# KiCad board LED_Addrs.kicad_pcb (continued)
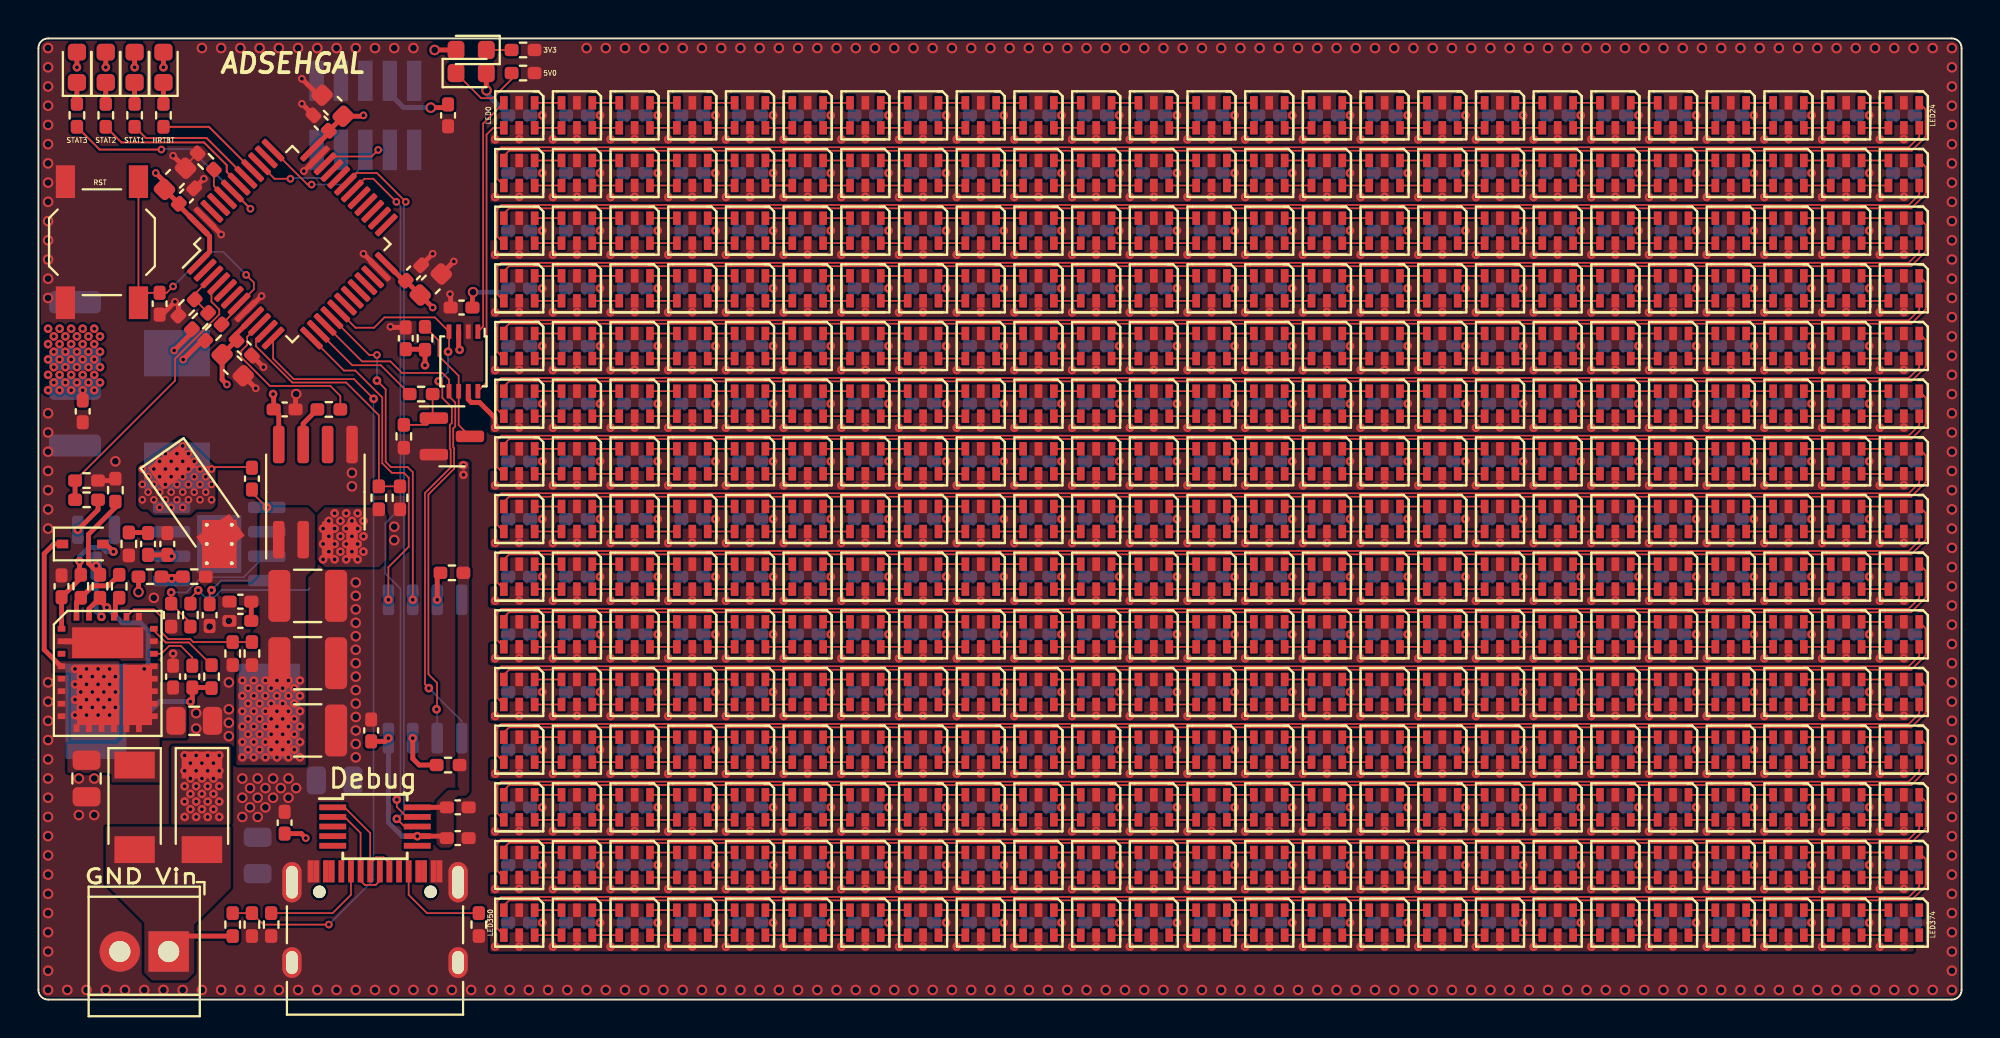
[diagram p0: board, top side]
## Routing (per net, layer and track width the routed paths; a pad name or vN(x,y) marks a point on that pad's centre or on a via; arc(x,y) is an arc through that point) (continued)
/PWR/5V_VDD: length 3.6
  Top w0.254: R33.1 3.63,21.52 2.82,21.52 R30.1 1.97,20.68 U6.28
/PWR/PVDD_5V: length 7
  Top w0.254: v2(3.9,23.3) 3.5,23.7 D384.2 ; U6.1 C418.2 2.2,21.93 R30.2 2.13,22.16 v2(2.13,22.8)
  Bottom w0.254: v2(2.13,22.8) 2.13,23.03 2.62,23.52 3.31,23.52 3.52,23.3 v2(3.9,23.3)
GND: length 18.8
  Top w0.089: R8.2 7.65,43.39 C379.1 ; C411.1 v2(7,18)
  Top w0.254: R28.1 3.9,27 R34.1 ; C383.1 v3(11.3,31.8) ; v3(11.6,36.6) 10.83,35.83 U1.8 ; C382.1 v3(11.7,32.9) ; v1(13.4,31.5) 13.37,31.47 C408.2 ; C378.1 v3(8.6,42.7) ; v3(16.9,38.8) 17.73,37.97 U1.23 ; v3(13.7,47.9) 14.55,47.05 C381.1 ; v3(9.5,39.8) 8.67,40.63 U1.47 ; R7.2 7.28,36.12 v3(7.1,36.3) 6.43,35.63 C384.1 ; C376.1 v3(20.5,38.8) ; C377.1 v3(21.6,38.4) ; v3(18.3,35) 18.33,34.97 C395.2 ; v3(7,43.9) 7.65,43.25 C379.1 ; v3(21.4,36.7) 21.43,36.67 C396.1 ; v3(13.8,43.1) 14.53,43.83 U1.35 ; C380.1 v3(13.7,46.6)
  vias: v1(0.5,49.5) v1(0.5,48.5) v1(0.5,47.5) v1(0.5,46.5) v1(0.5,45.5) v1(0.5,44.5) v1(0.5,43.5) v1(0.5,42.5) v1(0.5,41.5) v1(0.5,40.5) v1(0.5,39.5) v1(0.5,38.5) v1(0.5,37.5) v1(0.5,36.5) v1(0.5,30.5) v1(0.5,29.5) v1(0.5,28.5) v1(0.5,27.5) v1(0.5,26.5) v1(0.5,25.5) v1(0.5,24.5) v1(0.5,16.5) v1(0.5,15.5) v1(0.5,14.5) v1(0.5,13.5) v1(0.5,12.5) v1(0.5,11.5) v1(0.5,10.5) v1(0.5,9.5) v1(0.5,8.5) v1(0.5,7.5) v1(0.5,6.5) v1(0.5,5.5) v1(0.5,4.5) v1(0.5,3.5) v1(0.5,2.5) v1(0.5,1.5) v1(0.5,0.5) v1(1.5,0.5) v1(2.1,11.5) v1(2.1,9.6) v1(2.5,0.5) v1(2.9,11.5) v1(2.9,9.6) v1(3.5,0.5) v1(4,28) v1(4.5,0.5) v1(5.5,0.5) v1(6,20.9) v1(6.5,0.5) v1(7.5,0.5) v1(8.2,14.9) v1(8.2,14.1) v1(8.5,49.5) v1(8.5,0.5) v1(8.9,19.4) v1(9.5,49.5) v1(9.5,0.5) v1(9.9,19.7) v1(9.9,16.5) v1(9.9,15.1) v1(9.9,14.4) v1(9.9,13.7) v1(10.5,49.5) v1(10.5,0.5) v1(10.6,11.5) v1(10.6,10.5) v1(10.6,9.5) v1(11,11) v1(11,10) v1(11.4,11.5) v1(11.4,10.5) v1(11.4,9.5) v1(11.5,49.5) v1(11.5,0.5) v1(11.8,11) v1(11.8,10) v1(12.2,11.5) v1(12.2,10.5) v1(12.5,49.5) v1(12.5,0.5) v1(12.6,11) v1(13,11.5) v1(13,10.5) v1(13.4,11) v1(13.5,49.5) v1(13.5,0.5) v1(14.5,49.5) v1(14.5,0.5) v1(15.5,49.5) v1(15.5,0.5) v1(16.3,27.4) v1(16.3,26.7) v1(16.5,49.5) v1(16.5,21.7) v1(16.5,21) v1(16.5,20.3) v1(16.5,19.6) v1(16.5,18.9) v1(16.5,18.2) v1(16.5,17.5) v1(16.5,16.8) v1(16.5,16.1) v1(16.5,15.4) v1(16.5,14.7) v1(16.5,14) v1(16.5,13.3) v1(16.5,12.6) v1(16.5,0.5) v1(17.5,49.5) v1(17.5,0.5) v1(18.5,49.5) v1(18.5,24.6) v1(18.5,23.9) v1(18.5,0.5) v1(19.5,49.5) v1(19.5,0.5) v1(20.5,0.5) v1(21.5,0.5) v1(22.5,0.5) v1(23.5,0.5) v1(24.5,0.5) v1(25.5,0.5) v1(26.5,0.5) v1(27.5,0.5) v1(28.5,49.5) v1(28.5,0.5) v1(29.5,49.5) v1(29.5,0.5) v1(30.5,49.5) v1(30.5,0.5) v1(31.5,49.5) v1(31.5,0.5) v1(32.5,49.5) v1(32.5,0.5) v1(33.5,49.5) v1(33.5,0.5) v1(34.5,49.5) v1(34.5,0.5) v1(35.5,49.5) v1(35.5,0.5) v1(36.5,49.5) v1(36.5,0.5) v1(37.5,49.5) v1(37.5,0.5) v1(38.5,49.5) v1(38.5,0.5) v1(39.5,49.5) v1(39.5,0.5) v1(40.5,49.5) v1(40.5,0.5) v1(41.5,49.5) v1(41.5,0.5) v1(42.5,49.5) v1(42.5,0.5) v1(43.5,49.5) v1(43.5,0.5) v1(44.5,49.5) v1(44.5,0.5) v1(45.5,49.5) v1(45.5,0.5) v1(46.5,49.5) v1(46.5,0.5) v1(47.5,49.5) v1(47.5,0.5) v1(48.5,49.5) v1(48.5,0.5) v1(49.5,49.5) v1(49.5,0.5) v1(50.5,49.5) v1(50.5,0.5) v1(51.5,49.5) v1(51.5,0.5) v1(52.5,49.5) v1(52.5,0.5) v1(53.5,49.5) v1(53.5,0.5) v1(54.5,49.5) v1(54.5,0.5) v1(55.5,49.5) v1(55.5,0.5) v1(56.5,49.5) v1(56.5,0.5) v1(57.5,49.5) v1(57.5,0.5) v1(58.5,49.5) v1(58.5,0.5) v1(59.5,49.5) v1(59.5,0.5) v1(60.5,49.5) v1(60.5,0.5) v1(61.5,49.5) v1(61.5,0.5) v1(62.5,49.5) v1(62.5,0.5) v1(63.5,49.5) v1(63.5,0.5) v1(64.5,49.5) v1(64.5,0.5) v1(65.5,49.5) v1(65.5,0.5) v1(66.5,49.5) v1(66.5,0.5) v1(67.5,49.5) v1(67.5,0.5) v1(68.5,49.5) v1(68.5,0.5) v1(69.5,49.5) v1(69.5,0.5) v1(70.5,49.5) v1(70.5,0.5) v1(71.5,49.5) v1(71.5,0.5) v1(72.5,49.5) v1(72.5,0.5) v1(73.5,49.5) v1(73.5,0.5) v1(74.5,49.5) v1(74.5,0.5) v1(75.5,49.5) v1(75.5,0.5) v1(76.5,49.5) v1(76.5,0.5) v1(77.5,49.5) v1(77.5,0.5) v1(78.5,49.5) v1(78.5,0.5) v1(79.5,49.5) v1(79.5,0.5) v1(80.5,49.5) v1(80.5,0.5) v1(81.5,49.5) v1(81.5,0.5) v1(82.5,49.5) v1(82.5,0.5) v1(83.5,49.5) v1(83.5,0.5) v1(84.5,49.5) v1(84.5,0.5) v1(85.5,49.5) v1(85.5,0.5) v1(86.5,49.5) v1(86.5,0.5) v1(87.5,49.5) v1(87.5,0.5) v1(88.5,49.5) v1(88.5,0.5) v1(89.5,49.5) v1(89.5,0.5) v1(90.5,49.5) v1(90.5,0.5) v1(91.5,49.5) v1(91.5,0.5) v1(92.5,49.5) v1(92.5,0.5) v1(93.5,49.5) v1(93.5,0.5) v1(94.5,49.5) v1(94.5,0.5) v1(95.5,49.5) v1(95.5,0.5) v1(96.5,49.5) v1(96.5,0.5) v1(97.5,49.5) v1(97.5,0.5) v1(98.5,49.5) v1(98.5,0.5) v1(99.5,49.5) v1(99.5,48.5) v1(99.5,47.5) v1(99.5,46.5) v1(99.5,45.5) v1(99.5,44.5) v1(99.5,43.5) v1(99.5,42.5) v1(99.5,41.5) v1(99.5,40.5) v1(99.5,39.5) v1(99.5,38.5) v1(99.5,37.5) v1(99.5,36.5) v1(99.5,35.5) v1(99.5,34.5) v1(99.5,33.5) v1(99.5,32.5) v1(99.5,31.5) v1(99.5,30.5) v1(99.5,29.5) v1(99.5,28.5) v1(99.5,27.5) v1(99.5,26.5) v1(99.5,25.5) v1(99.5,24.5) v1(99.5,23.5) v1(99.5,22.5) v1(99.5,21.5) v1(99.5,20.5) v1(99.5,19.5) v1(99.5,18.5) v1(99.5,17.5) v1(99.5,16.5) v1(99.5,15.5) v1(99.5,14.5) v1(99.5,13.5) v1(99.5,12.5) v1(99.5,11.5) v1(99.5,10.5) v1(99.5,9.5) v1(99.5,8.5) v1(99.5,7.5) v1(99.5,6.5) v1(99.5,5.5) v1(99.5,4.5) v1(99.5,3.5) v1(99.5,2.5) v1(99.5,1.5) v1(99.5,0.5) v2(26.2,46) v2(26.2,43) v2(26.2,40) v2(26.2,37) v2(26.2,34) v2(26.2,31) v2(26.2,28) v2(26.2,25) v2(26.2,22) v2(26.2,19) v2(26.2,16) v2(26.2,13) v2(26.2,10) v2(26.2,7) v2(26.2,4) v2(29.2,46) v2(29.2,43) v2(29.2,40) v2(29.2,37) v2(29.2,34) v2(29.2,31) v2(29.2,28) v2(29.2,25) v2(29.2,22) v2(29.2,19) v2(29.2,16) v2(29.2,13) v2(29.2,10) v2(29.2,7) v2(29.2,4) v2(32.2,46) v2(32.2,43) v2(32.2,40) v2(32.2,37) v2(32.2,34) v2(32.2,31) v2(32.2,28) v2(32.2,25) v2(32.2,22) v2(32.2,19) v2(32.2,16) v2(32.2,13) v2(32.2,10) v2(32.2,7) v2(32.2,4) v2(35.2,46) v2(35.2,43) v2(35.2,40) v2(35.2,37) v2(35.2,34) v2(35.2,31) v2(35.2,28) v2(35.2,25) v2(35.2,22) v2(35.2,19) v2(35.2,16) v2(35.2,13) v2(35.2,10) v2(35.2,7) v2(35.2,4) v2(38.2,46) v2(38.2,43) v2(38.2,40) v2(38.2,37) v2(38.2,34) v2(38.2,31) v2(38.2,28) v2(38.2,25) v2(38.2,22) v2(38.2,19) v2(38.2,16) v2(38.2,13) v2(38.2,10) v2(38.2,7) v2(38.2,4) v2(41.2,46) v2(41.2,43) v2(41.2,40) v2(41.2,37) v2(41.2,34) v2(41.2,31) v2(41.2,28) v2(41.2,25) v2(41.2,22) v2(41.2,19) v2(41.2,16) v2(41.2,13) v2(41.2,10) v2(41.2,7) v2(41.2,4) v2(44.2,46) v2(44.2,43) v2(44.2,40) v2(44.2,37) v2(44.2,34) v2(44.2,31) v2(44.2,28) v2(44.2,25) v2(44.2,22) v2(44.2,19) v2(44.2,16) v2(44.2,13) v2(44.2,10) v2(44.2,7) v2(44.2,4) v2(47.2,46) v2(47.2,43) v2(47.2,40) v2(47.2,37) v2(47.2,34) v2(47.2,31) v2(47.2,28) v2(47.2,25) v2(47.2,22) v2(47.2,19) v2(47.2,16) v2(47.2,13) v2(47.2,10) v2(47.2,7) v2(47.2,4) v2(50.2,46) v2(50.2,43) v2(50.2,40) v2(50.2,37) v2(50.2,34) v2(50.2,31) v2(50.2,28) v2(50.2,25) v2(50.2,22) v2(50.2,19) v2(50.2,16) v2(50.2,13) v2(50.2,10) v2(50.2,7) v2(50.2,4) v2(53.2,46) v2(53.2,43) v2(53.2,40) v2(53.2,37) v2(53.2,34) v2(53.2,31) v2(53.2,28) v2(53.2,25) v2(53.2,22) v2(53.2,19) v2(53.2,16) v2(53.2,13) v2(53.2,10) v2(53.2,7) v2(53.2,4) v2(56.2,46) v2(56.2,43) v2(56.2,40) v2(56.2,37) v2(56.2,34) v2(56.2,31) v2(56.2,28) v2(56.2,25) v2(56.2,22) v2(56.2,19) v2(56.2,16) v2(56.2,13) v2(56.2,10) v2(56.2,7) v2(56.2,4) v2(59.2,46) v2(59.2,43) v2(59.2,40) v2(59.2,37) v2(59.2,34) v2(59.2,31) v2(59.2,28) v2(59.2,25) v2(59.2,22) v2(59.2,19) v2(59.2,16) v2(59.2,13) v2(59.2,10) v2(59.2,7) v2(59.2,4) v2(62.2,46) v2(62.2,43) v2(62.2,40) v2(62.2,37) v2(62.2,34) v2(62.2,31) v2(62.2,28) v2(62.2,25) v2(62.2,22) v2(62.2,19) v2(62.2,16) v2(62.2,13) v2(62.2,10) v2(62.2,7) v2(62.2,4) v2(65.2,46) v2(65.2,43) v2(65.2,40) v2(65.2,37) v2(65.2,34) v2(65.2,31) v2(65.2,28) v2(65.2,25) v2(65.2,22) v2(65.2,19) v2(65.2,16) v2(65.2,13) v2(65.2,10) v2(65.2,7) v2(65.2,4) v2(68.2,46) v2(68.2,43) v2(68.2,40) v2(68.2,37) v2(68.2,34) v2(68.2,31) v2(68.2,28) v2(68.2,25) v2(68.2,22) v2(68.2,19) v2(68.2,16) v2(68.2,13) v2(68.2,10) v2(68.2,7) v2(68.2,4) v2(71.2,46) v2(71.2,43) v2(71.2,40) v2(71.2,37) v2(71.2,34) v2(71.2,31) v2(71.2,28) v2(71.2,25) v2(71.2,22) v2(71.2,19) v2(71.2,16) v2(71.2,13) v2(71.2,10) v2(71.2,7) v2(71.2,4) v2(74.2,46) v2(74.2,43) v2(74.2,40) v2(74.2,37) v2(74.2,34) v2(74.2,31) v2(74.2,28) v2(74.2,25) v2(74.2,22) v2(74.2,19) v2(74.2,16) v2(74.2,13) v2(74.2,10) v2(74.2,7) v2(74.2,4) v2(77.2,46) v2(77.2,43) v2(77.2,40) v2(77.2,37) v2(77.2,34) v2(77.2,31) v2(77.2,28) v2(77.2,25) v2(77.2,22) v2(77.2,19) v2(77.2,16) v2(77.2,13) v2(77.2,10) v2(77.2,7) v2(77.2,4) v2(80.2,46) v2(80.2,43) v2(80.2,40) v2(80.2,37) v2(80.2,34) v2(80.2,31) v2(80.2,28) v2(80.2,25) v2(80.2,22) v2(80.2,19) v2(80.2,16) v2(80.2,13) v2(80.2,10) v2(80.2,7) v2(80.2,4) v2(83.2,46) v2(83.2,43) v2(83.2,40) v2(83.2,37) v2(83.2,34) v2(83.2,31) v2(83.2,28) v2(83.2,25) v2(83.2,22) v2(83.2,19) v2(83.2,16) v2(83.2,13) v2(83.2,10) v2(83.2,7) v2(83.2,4) v2(86.2,46) v2(86.2,43) v2(86.2,40) v2(86.2,37) v2(86.2,34) v2(86.2,31) v2(86.2,28) v2(86.2,25) v2(86.2,22) v2(86.2,19) v2(86.2,16) v2(86.2,13) v2(86.2,10) v2(86.2,7) v2(86.2,4) v2(89.2,46) v2(89.2,43) v2(89.2,40) v2(89.2,37) v2(89.2,34) v2(89.2,31) v2(89.2,28) v2(89.2,25) v2(89.2,22) v2(89.2,19) v2(89.2,16) v2(89.2,13) v2(89.2,10) v2(89.2,7) v2(89.2,4) v2(92.2,46) v2(92.2,43) v2(92.2,40) v2(92.2,37) v2(92.2,34) v2(92.2,31) v2(92.2,28) v2(92.2,25) v2(92.2,22) v2(92.2,19) v2(92.2,16) v2(92.2,13) v2(92.2,10) v2(92.2,7) v2(92.2,4) v2(95.2,46) v2(95.2,43) v2(95.2,40) v2(95.2,37) v2(95.2,34) v2(95.2,31) v2(95.2,28) v2(95.2,25) v2(95.2,22) v2(95.2,19) v2(95.2,16) v2(95.2,13) v2(95.2,10) v2(95.2,7) v2(95.2,4)
/LED_Array/LED_Row_1/CLK_OUT: length 76.6
  Top w0.089: D25.6 97.8,44.88 97.26,44.34 24.07,44.34 23.87,44.13 23.87,42.68 D26.4
/LED_Array/LED_Row_1/DATA_OUT: length 76.5
  Top w0.089: D25.1 98.13,46.32 98.13,44.88 97.41,44.16 24.47,44.16 24.2,43.89 D26.3
/LED_Array/LED_Row_2/CLK_OUT: length 76.6
  Top w0.089: D51.4 23.87,39.68 23.87,41.13 24.07,41.34 97.26,41.34 97.8,41.88 D50.6
/LED_Array/LED_Row_2/DATA_OUT: length 76.5
  Top w0.089: D51.3 24.2,40.89 24.47,41.16 97.39,41.16 98.13,41.9 98.13,43.32 D50.1
/LED_Array/LED_Row_3/CLK_OUT: length 76.6
  Top w0.089: D76.4 23.87,36.68 23.87,38.13 24.06,38.33 97.25,38.33 97.8,38.88 D75.6
/LED_Array/LED_Row_3/DATA_OUT: length 76.5
  Top w0.089: D75.1 98.13,40.32 98.13,38.9 97.38,38.15 24.46,38.15 24.2,37.89 D76.3
/LED_Array/LED_Row_4/CLK_OUT: length 76.6
  Top w0.089: D101.4 23.87,33.68 23.87,35.13 24.07,35.34 97.26,35.34 97.8,35.88 D100.6
/LED_Array/LED_Row_4/DATA_OUT: length 76.5
  Top w0.089: D100.1 98.13,37.32 98.13,35.9 97.39,35.16 24.47,35.16 24.2,34.89 D101.3
/LED_Array/LED_Row_5/CLK_OUT: length 76.6
  Top w0.089: D126.4 23.87,30.68 23.87,32.13 24.07,32.34 97.26,32.34 97.8,32.88 D125.6
/LED_Array/LED_Row_5/DATA_OUT: length 76.5
  Top w0.089: D125.1 98.13,34.32 98.13,32.9 97.39,32.16 24.47,32.16 24.2,31.89 D126.3
/LED_Array/LED_Row_6/CLK_OUT: length 76.6
  Top w0.089: D150.6 97.8,29.88 97.26,29.34 24.07,29.34 23.87,29.13 23.87,27.68 D151.4
/LED_Array/LED_Row_6/DATA_OUT: length 76.5
  Top w0.089: D151.3 24.2,28.89 24.47,29.16 97.39,29.16 98.13,29.9 98.13,31.32 D150.1
/LED_Array/LED_Row_7/CLK_OUT: length 76.6
  Top w0.089: D175.6 97.8,26.88 97.26,26.34 24.07,26.34 23.87,26.13 23.87,24.68 D176.4
/LED_Array/LED_Row_7/DATA_OUT: length 76.5
  Top w0.089: D176.3 24.2,25.89 24.47,26.16 97.39,26.16 98.13,26.9 98.13,28.32 D175.1
/LED_Array/LED_Row_8/CLK_OUT: length 76.6
  Top w0.089: D200.6 97.8,23.88 97.26,23.34 24.07,23.34 23.87,23.13 23.87,21.68 D201.4
/LED_Array/LED_Row_8/DATA_OUT: length 76.5
  Top w0.089: D201.3 24.2,22.89 24.47,23.16 97.39,23.16 98.13,23.9 98.13,25.32 D200.1
/LED_Array/LED_Row_10/CLK_IN: length 76.6
  Top w0.089: D226.4 23.87,18.68 23.87,20.13 24.06,20.33 97.25,20.33 97.8,20.88 D225.6
/LED_Array/LED_Row_10/CLK_OUT: length 76.6
  Top w0.089: D250.6 97.8,17.88 97.26,17.34 24.07,17.34 23.87,17.13 23.87,15.68 D251.4
/LED_Array/LED_Row_10/DATA_IN: length 76.5
  Top w0.089: D226.3 24.2,19.89 24.46,20.15 97.38,20.15 98.13,20.9 98.13,22.32 D225.1
/LED_Array/LED_Row_10/DATA_OUT: length 76.5
  Top w0.089: D250.1 98.13,19.32 98.13,17.9 97.39,17.16 24.47,17.16 24.2,16.89 D251.3
/LED_Array/LED_Row_11/CLK_OUT: length 76.6
  Top w0.089: D275.6 97.8,14.88 97.26,14.34 24.07,14.34 23.87,14.13 23.87,12.68 D276.4
/LED_Array/LED_Row_11/DATA_OUT: length 76.5
  Top w0.089: D276.3 24.2,13.89 24.47,14.16 97.39,14.16 98.13,14.9 98.13,16.32 D275.1
/LED_Array/LED_Row_12/CLK_OUT: length 76.6
  Top w0.089: D301.4 23.87,9.68 23.87,11.13 24.07,11.34 97.26,11.34 97.8,11.88 D300.6
/LED_Array/LED_Row_12/DATA_OUT: length 76.5
  Top w0.089: D300.1 98.13,13.32 98.13,11.9 97.39,11.16 24.47,11.16 24.2,10.89 D301.3
/LED_Array/LED_Row_13/CLK_OUT: length 76.6
  Top w0.089: D326.4 23.87,6.68 23.87,8.13 24.06,8.33 97.25,8.33 97.8,8.88 D325.6
/LED_Array/LED_Row_13/DATA_OUT: length 76.5
  Top w0.089: D325.1 98.13,10.32 98.13,8.9 97.38,8.15 24.46,8.15 24.2,7.89 D326.3
/LED_Array/LED_Row_14/CLK_OUT: length 76.6
  Top w0.089: D351.4 23.87,3.68 23.87,5.13 24.07,5.34 97.26,5.34 97.8,5.88 D350.6
/LED_Array/LED_Row_14/DATA_OUT: length 76.5
  Top w0.089: D350.1 98.13,7.32 98.13,5.9 97.39,5.16 24.47,5.16 24.2,4.89 D351.3
/MCU/BOOT0: length 1.7
  Top w0.089: R8.1 9.12,42.32 U1.44
/MCU/DBG_RX: length 37.5
  Top w0.089: U1.31 16.55,43 17.6,43 v3(19.1,41.5) ; v2(18.64,9.4) 19.04,9 U2.8
  Bottom w0.089: v2(18.64,9.4) 19,9.76 19,41.4 v3(19.1,41.5)
/MCU/DBG_TX: length 36.6
  Top w0.089: v3(18.61,41.5) 17.41,42.7 16.95,42.7 U1.30 ; U2.9 19.15,9.5 18.64,10.01 v2(18.64,10.4)
  Bottom w0.089: v3(18.61,41.5) 18.82,41.29 18.82,25.56 18.03,24.77 18.03,22.17 18.82,21.38 18.82,10.59 v2(18.64,10.4)
/MCU/I_5V_SNS: length 8.8
  Top w0.089: U1.10 10.85,34.47 10.85,34.05 10.55,33.75 10.55,33.41 12.04,31.92 15.18,31.92 15.7,31.4 R23.1
/MCU/n5V_EN: length 14.7
  Top w0.089: R34.2 7.1,32.2 7.1,33.34 9.4,35.64 9.4,35.9 9,36.3 9,36.86 U1.4
  Top w0.254: R29.2 R34.2
/MCU/nHEARTBEAT: length 5.6
  Top w0.102: R3.2 8.87,45.4 U1.40
/MCU/nRST: length 16.9
  Top w0.089: v3(10.8,37.7) 11.2,37.3 11.2,36.95 U1.7 10.43,36.03 R2.2 ; SW1.2 SW1.2 5.72,36.77 C384.2 6.67,36.77 v3(7,37.1)
  Bottom w0.089: v3(7,37.1) 8.8,38.9 9.6,38.9 v3(10.8,37.7)
/MCU/nSTAT_LED1: length 6.9
  Top w0.102: R4.2 5.58,44.82 8.74,44.82 U1.41
/MCU/nSTAT_LED2: length 8.4
  Top w0.102: R5.2 4.31,44.59 8.61,44.59 9.79,43.41 9.79,43.06 U1.42
/MCU/nSTAT_LED3: length 12.1
  Top w0.102: v3(11.02,41.14) 10.09,42.07 U1.43 ; R6.2 3.18,44.22 v3(6.39,44.22)
  Bottom w0.102: v3(11.02,41.14) 7.91,44.25 6.42,44.25 v3(6.39,44.22)
/MCU/SWCLK: length 6.7
  Top w0.089: U1.37 13.99,42.4 v3(14.2,42.4)
  Bottom w0.089: v3(14.2,42.4) 15.88,42.4 17,43.52 J1.6
/MCU/SWDIO: length 3.7
  Top w0.089: U1.34 15.28,43.86 17.32,43.86 v3(17.66,44.2)
  Bottom w0.089: v3(17.66,44.2) J1.4
/MCU/SWO: length 5.6
  Top w0.089: U1.39 12.27,42.7 v3(13.1,42.7)
  Bottom w0.089: v3(13.1,42.7) 13.13,42.73 14.94,42.73 15.73,43.52 J1.8
/MCU/USB_D+: length 6.6
  Top w0.089: U2.1 15.92,10 17.25,8.67 J2.A6 17.25,7.09 17.55,7.4 17.95,7.4 18.25,7.09 J2.B6
/MCU/USB_D-: length 6
  Top w0.089: J2.A7 17.75,6.18 17.53,5.96 16.97,5.96 16.75,6.18 J2.B7 16.75,8.67 15.92,9.5 U2.2
/MCU/V_5V_SNS: length 13.7
  Top w0.089: U1.11 11.31,34.23 11.31,33.99 13.2,32.1 16,32.1 17.7,30.4 R32.1 R36.2
/MCU/V_DC_SNS: length 40.7
  Top w0.089: U1.12 12.2,33.35 13.27,32.28 16.41,32.28 v2(17.43,31.25) ; v3(15.1,3.9) 11.7,3.9 R35.2 R31.1
  Bottom w0.089: v2(17.43,31.25) 17.42,31.25 17.42,6.22 v3(15.1,3.9)
/MCU/VERSION: length 2.5
  Top w0.089: R1.2 R7.1 8.12,36.7 U1.3
/PWR/SW_3V3: length 4.2
  Top w0.089: D381.1 11.07,27.7 C398.1
  vias: v3(5.4,27.6) v3(5.4,26.8) v3(5.4,26) v3(5.7,27.2) v3(5.7,26.4) v3(6,27.6) v3(6,26.8) v3(6,26) v3(6.3,28) v3(6.3,27.2) v3(6.3,26.4) v3(6.3,25.6) v3(6.6,28.4) v3(6.6,27.6) v3(6.6,26.8) v3(6.6,26) v3(6.9,28) v3(6.9,27.2) v3(6.9,26.4) v3(6.9,25.6) v3(7.2,28.4) v3(7.2,27.6) v3(7.2,26.8) v3(7.2,26) v3(7.5,28.8) v3(7.5,28) v3(7.5,27.2) v3(7.5,26.4) v3(7.5,25.6) v3(7.8,28.4) v3(7.8,27.6) v3(7.8,26.8) v3(7.8,26) v3(8.1,28) v3(8.1,27.2) v3(8.1,26.4) v3(8.4,27.6) v3(8.4,26.8) v3(8.4,26) v3(8.7,27.2) v3(8.7,26.4) v3(9,27.6) v3(9,26.8) v3(9,26)
/PWR/SW_5V: length 14.3
  Top w0.089: 8.97,16.23 R24.1
  Top w0.254: 8.97,16.23 C412.1 8,15.6 v2(7.9,15.5) ; U6.4 1.16,17.34 0.3,18.2 0.3,23.2 0.8,23.7 D384.1
  Bottom w0.254: L2.1 5.8,15 6.3,15.5 v2(7.9,15.5)
  vias: v2(1.9,17.2) v2(1.9,16.4) v2(1.9,15.6) v2(1.9,14.8) v2(2.2,16.8) v2(2.2,16) v2(2.2,15.2) v2(2.5,17.2) v2(2.5,16.4) v2(2.5,15.6) v2(2.5,14.8) v2(2.8,16.8) v2(2.8,16) v2(2.8,15.2) v2(3.1,17.2) v2(3.1,16.4) v2(3.1,15.6) v2(3.1,14.8) v2(3.4,16.8) v2(3.4,16) v2(3.4,15.2) v2(3.7,17.2) v2(3.7,16.4) v2(3.7,15.6) v2(3.7,14.8) v2(4,16.8) v2(4,16) v2(4,15.2)
/PWR/SW_5V_L: length 1
  Top w0.254: C416.2 C417.2
  vias: v2(10.6,16.6) v2(10.6,15.8) v2(10.6,15) v2(10.6,14.2) v2(10.6,13.4) v2(10.6,12.6) v2(10.9,16.2) v2(10.9,15.4) v2(10.9,14.6) v2(10.9,13.8) v2(10.9,13) v2(11.2,16.6) v2(11.2,15.8) v2(11.2,15) v2(11.2,14.2) v2(11.2,13.4) v2(11.2,12.6) v2(11.5,16.2) v2(11.5,15.4) v2(11.5,14.6) v2(11.5,13.8) v2(11.5,13) v2(11.8,16.6) v2(11.8,15.8) v2(11.8,15) v2(11.8,14.2) v2(11.8,13.4) v2(11.8,12.6) v2(12.1,16.2) v2(12.1,15.4) v2(12.1,14.6) v2(12.1,13.8) v2(12.1,13) v2(12.4,16.6) v2(12.4,15.8) v2(12.4,15) v2(12.4,14.2) v2(12.4,13.4) v2(12.4,12.6) v2(12.7,16.2) v2(12.7,15.4) v2(12.7,14.6) v2(12.7,13.8) v2(12.7,13) v2(13,16.6) v2(13,15.8) v2(13,15) v2(13,14.2) v2(13,13.4) v2(13,12.6) v2(13.3,16.2) v2(13.3,15.4) v2(13.3,14.6) v2(13.3,13.8) v2(13.3,13) v2(13.6,16.6) v2(13.6,15.8) v2(13.6,15) v2(13.6,14.2) v2(13.6,13.4) v2(13.6,12.6)
/PWR/V_DC_D_3V3: length 8.2
  Top w0.089: v2(8.31,21.29) 7.9,20.88 R18.2
  Top w0.254: C404.2 13.67,8.63 v3(13.9,8.4)
  Bottom w0.089: 14.1,21.4 14,21.3 9.51,21.3 9.15,20.94 8.66,20.94 v2(8.31,21.29)
  vias: v2(7.6,12.7) v2(7.6,11.9) v2(7.6,11.1) v2(7.6,10.3) v2(7.6,9.5) v2(7.9,12.3) v2(7.9,11.5) v2(7.9,10.7) v2(7.9,9.9) v2(8.2,12.7) v2(8.2,11.9) v2(8.2,11.1) v2(8.2,10.3) v2(8.2,9.5) v2(8.5,12.3) v2(8.5,11.5) v2(8.5,10.7) v2(8.5,9.9) v2(8.8,12.7) v2(8.8,11.9) v2(8.8,11.1) v2(8.8,10.3) v2(8.8,9.5) v2(9.1,12.3) v2(9.1,11.5) v2(9.1,10.7) v2(9.1,9.9) v2(9.4,12.7) v2(9.4,11.9) v2(9.4,11.1) v2(9.4,10.3) v2(9.4,9.5)
/PWR/V_DC_D_5V: length 6.6
  Top w0.254: v2(3.56,20.4) 3.2,20.76 R26.2 2.62,20.33 U6.27
  Bottom w0.254: v2(3.56,20.4) 4.36,19.6 5.3,19.6 5.7,19.2 5.7,17.4 v2(5.5,17.2)
/SPI1_FLASH_CS: length 16.9
  Top w0.089: v2(18.2,20.8) 18.2,22.49 19.25,23.55 19.25,27.15 19,27.4 18.38,27.4 17.88,27.9 17.88,31.32 16.48,32.72 15.89,32.72 U1.13
/SPI1_LED_CS: length 6.1
  Top w0.089: U1.14 16.32,33 17.8,33 R13.2
/SPI1_MISO: length 17.2
  Top w0.089: v2(17.6,32.2) 18.05,31.75 18.05,27.97 18.33,27.7 19.2,27.7 19.46,27.44 v2(19.46,20.8) ; U1.16 17.2,33.53 v3(17.6,33.53)
  Bottom w0.089: v2(17.6,32.2) v3(17.6,33.53)
/SPI1_MOSI: length 29.7
  Top w0.089: U1.17 16.49,34.95 17.45,34.95 17.99,35.49 20.61,35.49 U3.4 21.35,33.75 v2(21.3,33.7) ; v2(20.3,16.2) 20.1,16.4 20.1,26.35 21.43,27.68 21.43,28.62 21.39,28.66 21.39,29.89 21.5,30 21.5,30.8 21,31.3 21,31.98 v2(20.81,32.17)
  Bottom w0.089: U4.5 22.01,14.49 v2(20.3,16.2) ; v2(20.81,32.17) 21.3,32.65 v2(21.3,33.7)
/SPI1_MOSI_5V: length 12.5
  Top w0.089: D1.3 23.12,45.57 23.12,35.02 U3.1
/SPI1_SCK: length 27.2
  Top w0.089: v2(20.7,15.1) 20.73,15.13 20.73,16.47 20.28,16.92 20.28,26.28 21.61,27.61 21.61,28.69 21.57,28.74 21.57,29.71 21.67,29.81 21.67,31.06 21.35,31.38 U3.5 21.35,32.25 21,32.6 18.9,32.6 18.3,33.2 16.83,33.2 U1.15
  Bottom w0.089: U4.6 20.73,15.06 v2(20.7,15.1)
/SPI1_SCK_5V: length 14.6
  Top w0.089: D1.4 23.65,45.35 23.3,45 23.3,32.1 U3.8
VDC: length 3.7
  Top w0.254: J3.1 7.57,3.3 R31.2
Net-(C398-Pad2): length 1.2
  Top w0.089: C398.2 11.1,26.38 v2(11.88,25.6)
Net-(C405-Pad2): length 3.9
  Top w0.089: C405.2 8.9,21.2 v2(9,21.3)
  Bottom w0.089: v2(9,21.3) 9.5,21.8 U5.4
Net-(C406-Pad1): length 1
  Top w0.254: R22.2 5.67,24.3 C406.1
Net-(C406-Pad2): length 1.3
  Top w0.254: v2(6.93,23.06) 6.86,23.13 C407.2 C406.2
Net-(C412-Pad2): length 2.9
  Top w0.089: U6.20 6.39,17.99 6.8,18.4 7.4,18.4 8,17.8 C412.2
Net-(D1-Pad1): length 1.4
  Top w0.089: D1.1 D2.3
Net-(D1-Pad6): length 1.4
  Top w0.089: D1.6 D2.4
Net-(D2-Pad1): length 1.4
  Top w0.089: D2.1 D3.3
Net-(D2-Pad6): length 1.4
  Top w0.089: D2.6 D3.4
Net-(D3-Pad1): length 1.4
  Top w0.089: D3.1 D4.3
Net-(D3-Pad6): length 1.4
  Top w0.089: D3.6 D4.4
Net-(D4-Pad1): length 1.4
  Top w0.089: D4.1 D5.3
Net-(D4-Pad6): length 1.4
  Top w0.089: D4.6 D5.4
Net-(D5-Pad1): length 1.4
  Top w0.089: D5.1 D6.3
Net-(D5-Pad6): length 1.4
  Top w0.089: D6.4 D5.6
Net-(D6-Pad1): length 1.4
  Top w0.089: D6.1 D7.3
Net-(D6-Pad6): length 1.4
  Top w0.089: D6.6 D7.4
Net-(D7-Pad1): length 1.4
  Top w0.089: D7.1 D8.3
Net-(D7-Pad6): length 1.4
  Top w0.089: D8.4 D7.6
Net-(D8-Pad1): length 1.4
  Top w0.089: D8.1 D9.3
Net-(D8-Pad6): length 1.4
  Top w0.089: D8.6 D9.4
Net-(D10-Pad1): length 1.4
  Top w0.089: D10.1 D11.3
Net-(D10-Pad3): length 1.4
  Top w0.089: D9.1 D10.3
Net-(D10-Pad4): length 1.4
  Top w0.089: D9.6 D10.4
Net-(D10-Pad6): length 1.4
  Top w0.089: D10.6 D11.4
Net-(D11-Pad1): length 1.4
  Top w0.089: D11.1 D12.3
Net-(D11-Pad6): length 1.4
  Top w0.089: D11.6 D12.4
Net-(D12-Pad1): length 1.4
  Top w0.089: D12.1 D13.3
Net-(D12-Pad6): length 1.4
  Top w0.089: D12.6 D13.4
Net-(D13-Pad1): length 1.4
  Top w0.089: D13.1 D14.3
Net-(D13-Pad6): length 1.4
  Top w0.089: D13.6 D14.4
Net-(D14-Pad1): length 1.4
  Top w0.089: D14.1 D15.3
Net-(D14-Pad6): length 1.4
  Top w0.089: D15.4 D14.6
Net-(D15-Pad1): length 1.4
  Top w0.089: D16.3 D15.1
Net-(D15-Pad6): length 1.4
  Top w0.089: D15.6 D16.4
Net-(D16-Pad1): length 1.4
  Top w0.089: D16.1 D17.3
Net-(D16-Pad6): length 1.4
  Top w0.089: D17.4 D16.6
Net-(D17-Pad1): length 1.4
  Top w0.089: D18.3 D17.1
Net-(D17-Pad6): length 1.4
  Top w0.089: D17.6 D18.4
Net-(D18-Pad1): length 1.4
  Top w0.089: D18.1 D19.3
Net-(D18-Pad6): length 1.4
  Top w0.089: D19.4 D18.6
Net-(D19-Pad1): length 1.4
  Top w0.089: D20.3 D19.1
Net-(D19-Pad6): length 1.4
  Top w0.089: D19.6 D20.4
Net-(D20-Pad1): length 1.4
  Top w0.089: D20.1 D21.3
Net-(D20-Pad6): length 1.4
  Top w0.089: D21.4 D20.6
Net-(D21-Pad1): length 1.4
  Top w0.089: D22.3 D21.1
Net-(D21-Pad6): length 1.4
  Top w0.089: D21.6 D22.4
Net-(D22-Pad1): length 1.4
  Top w0.089: D22.1 D23.3
Net-(D22-Pad6): length 1.4
  Top w0.089: D23.4 D22.6
Net-(D23-Pad1): length 1.4
  Top w0.089: D24.3 D23.1
Net-(D23-Pad6): length 1.4
  Top w0.089: D23.6 D24.4
Net-(D24-Pad1): length 1.4
  Top w0.089: D24.1 D25.3
Net-(D24-Pad6): length 1.4
  Top w0.089: D25.4 D24.6
Net-(D26-Pad1): length 1.4
  Top w0.089: D26.1 D27.3
Net-(D26-Pad6): length 1.4
  Top w0.089: D27.4 D26.6
Net-(D27-Pad1): length 1.4
  Top w0.089: D28.3 D27.1
Net-(D27-Pad6): length 1.4
  Top w0.089: D27.6 D28.4
Net-(D28-Pad1): length 1.4
  Top w0.089: D28.1 D29.3
Net-(D28-Pad6): length 1.4
  Top w0.089: D29.4 D28.6
Net-(D29-Pad1): length 1.4
  Top w0.089: D30.3 D29.1
Net-(D29-Pad6): length 1.4
  Top w0.089: D29.6 D30.4
Net-(D30-Pad1): length 2.8
  Top w0.089: D31.3 D30.1 ; 39.17,43.65 37.77,43.65
Net-(D30-Pad6): length 2.8
  Top w0.089: 37.77,42.35 39.17,42.35 ; D30.6 D31.4
Net-(D31-Pad1): length 1.4
  Top w0.089: D32.3 D31.1
Net-(D31-Pad6): length 1.4
  Top w0.089: D31.6 D32.4
Net-(D32-Pad1): length 1.4
  Top w0.089: D32.1 D33.3
Net-(D32-Pad6): length 1.4
  Top w0.089: D33.4 D32.6
Net-(D33-Pad1): length 1.4
  Top w0.089: D33.1 D34.3
Net-(D33-Pad6): length 1.4
  Top w0.089: D34.4 D33.6
Net-(D34-Pad1): length 1.4
  Top w0.089: D35.3 D34.1
Net-(D34-Pad6): length 1.4
  Top w0.089: D34.6 D35.4
Net-(D35-Pad1): length 1.4
  Top w0.089: D35.1 D36.3
Net-(D35-Pad6): length 1.4
  Top w0.089: D36.4 D35.6
Net-(D36-Pad1): length 1.4
  Top w0.089: D37.3 D36.1
Net-(D36-Pad6): length 1.4
  Top w0.089: D36.6 D37.4
Net-(D37-Pad1): length 1.4
  Top w0.089: D37.1 D38.3
Net-(D37-Pad6): length 1.4
  Top w0.089: D38.4 D37.6
Net-(D38-Pad1): length 1.4
  Top w0.089: D39.3 D38.1
Net-(D38-Pad6): length 1.4
  Top w0.089: D38.6 D39.4
Net-(D39-Pad1): length 1.4
  Top w0.089: D39.1 D40.3
Net-(D39-Pad6): length 1.4
  Top w0.089: D40.4 D39.6
Net-(D40-Pad1): length 1.4
  Top w0.089: D41.3 D40.1
Net-(D40-Pad6): length 1.4
  Top w0.089: D40.6 D41.4
Net-(D41-Pad1): length 1.4
  Top w0.089: D41.1 D42.3
Net-(D41-Pad6): length 1.4
  Top w0.089: D42.4 D41.6
Net-(D42-Pad1): length 1.4
  Top w0.089: D43.3 D42.1
Net-(D42-Pad6): length 1.4
  Top w0.089: D42.6 D43.4
Net-(D43-Pad1): length 1.4
  Top w0.089: D43.1 D44.3
Net-(D43-Pad6): length 1.4
  Top w0.089: D44.4 D43.6
Net-(D44-Pad1): length 1.4
  Top w0.089: D45.3 D44.1
Net-(D44-Pad6): length 1.4
  Top w0.089: D44.6 D45.4
Net-(D45-Pad1): length 1.4
  Top w0.089: D45.1 D46.3
Net-(D45-Pad6): length 1.4
  Top w0.089: D46.4 D45.6
Net-(D46-Pad1): length 1.4
  Top w0.089: D47.3 D46.1
Net-(D46-Pad6): length 1.4
  Top w0.089: D46.6 D47.4
Net-(D47-Pad1): length 1.4
  Top w0.089: D47.1 D48.3
Net-(D47-Pad6): length 1.4
  Top w0.089: D48.4 D47.6
Net-(D48-Pad1): length 1.4